# Altium PCB Measure.PcbDoc (continued)
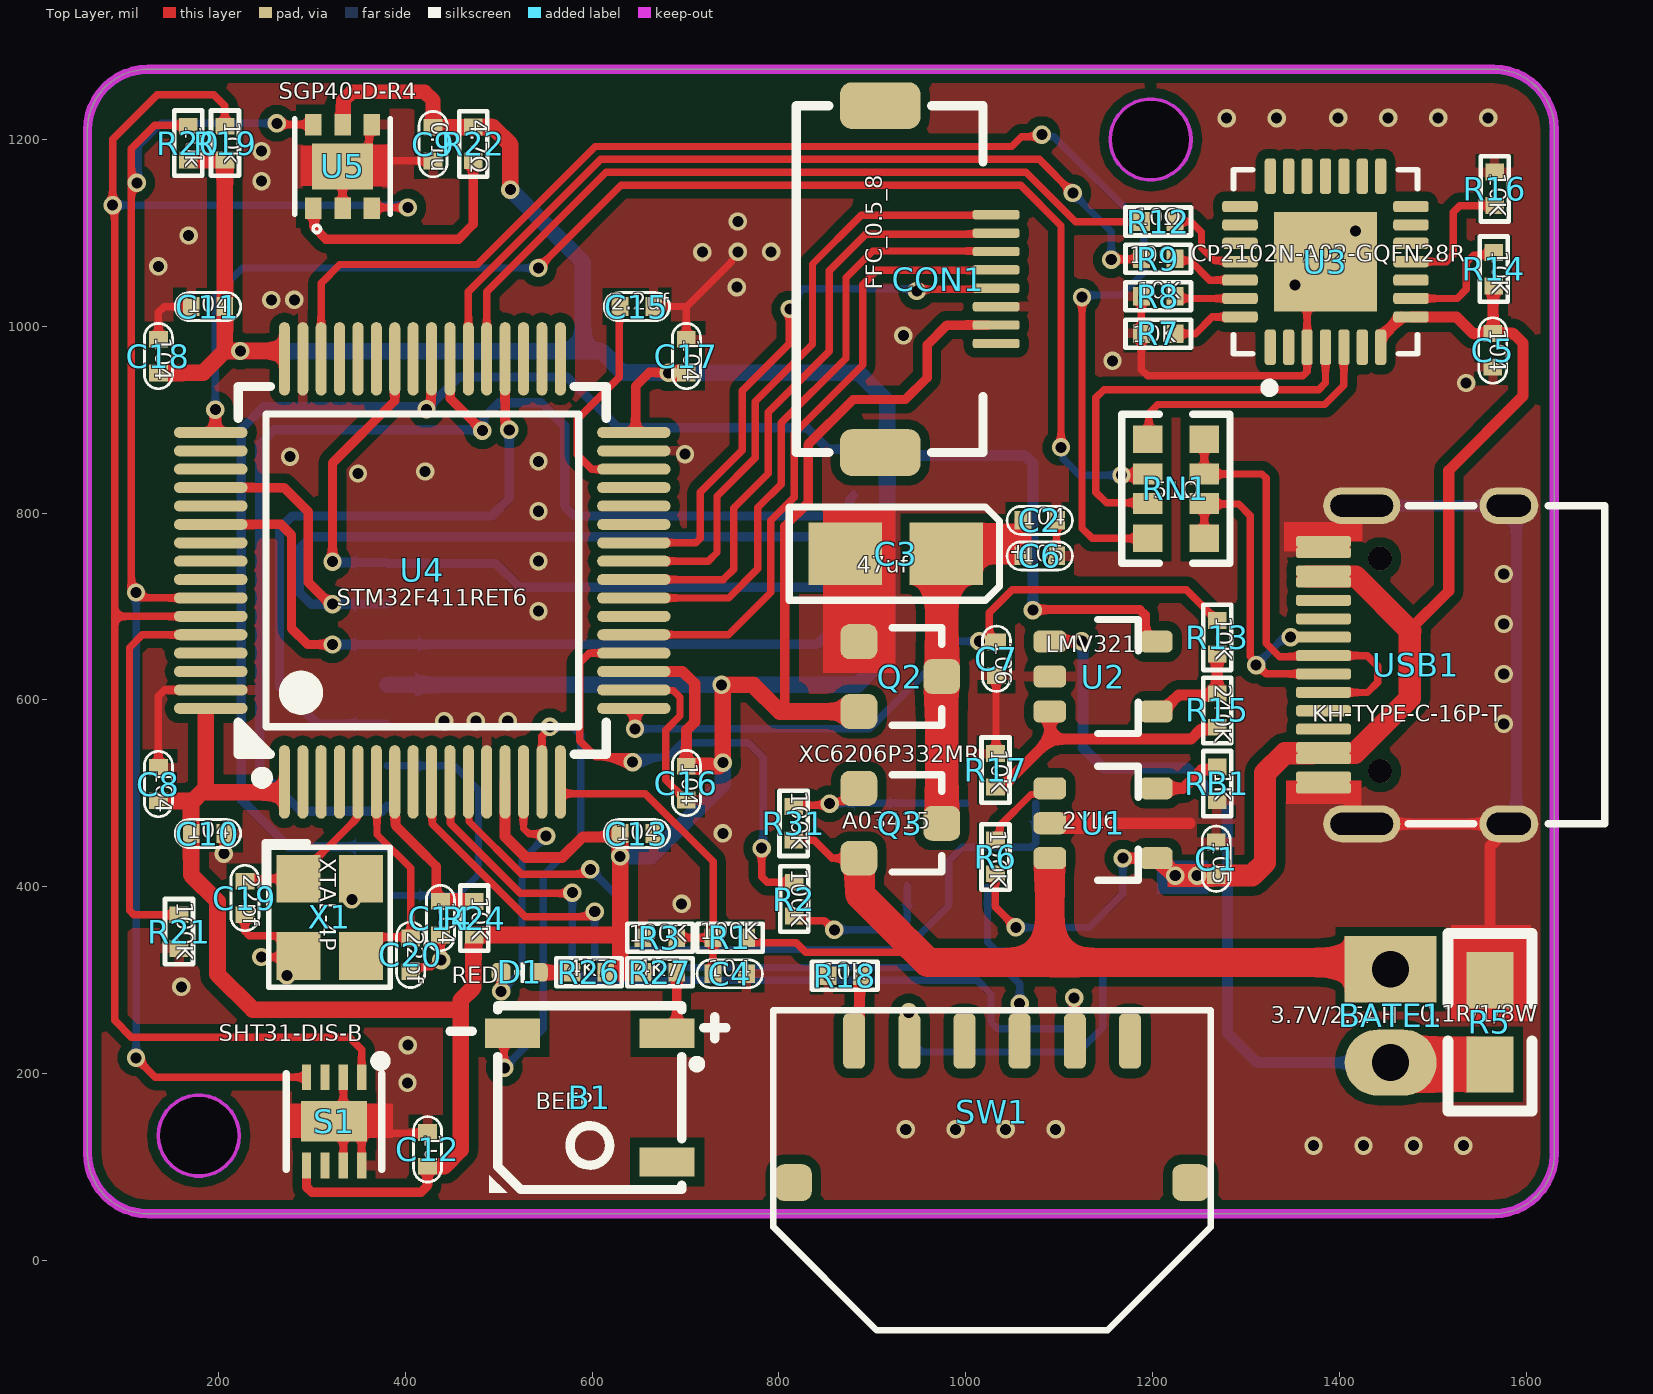
[diagram p0: Top Layer view]
## Footprints (in the part's own frame and the unit in brackets; to place one, negate y for a bottom-side part, rotate by r counter-clockwise, add the part's x,y. Pads: shape width x height; smd on the part's side, far side on the other; paste and mask are expansions set on the pad) (continued)
  silkscreen extent -5,-5.79 5,5, body extent -6,-6 6,6, height 1.6
"OSC 3225-4P" [mm]
  rect 1.3x1.2 smd: 1(-1.05,-0.85) 2(1.05,-0.85) 3(1.05,0.85) 4(-1.05,0.85)
  silkscreen extent -2.03,-1.75 1.91,1.65, body extent -1.47,-1.27 1.73,1.23, height 0.7
QFN28 [mil]
  rrect50% 12x38 smd mask+5: 1(-59.06,-91.5) 2(-39.37,-91.5) 3(-19.68,-91.5) 4(0,-91.5) 5(19.69,-91.5) 6(39.37,-91.5) 7(59.06,-91.5) 15(59.06,91.5) 16(39.37,91.5) 17(19.69,91.5) 18(0,91.5) 19(-19.68,91.5) 20(-39.37,91.5) 21(-59.06,91.5)
  rrect50% 38x12 smd mask+5: 8(91.5,-59.06) 9(91.5,-39.37) 10(91.5,-19.69) 11(91.5,0) 12(91.5,19.68) 13(91.5,39.37) 14(91.5,59.06) 22(-91.5,59.05) 23(-91.5,39.37) 24(-91.5,19.68) 25(-91.5,0) 26(-91.5,-19.68) 27(-91.5,-39.37) 28(-91.5,-59.06)
  rect 110.24x106.3 smd: 29(0,0)
  silkscreen extent -98,-140 98,98, body extent -98,-98 98,98, height 35
SOT23-5_S [mil]
  rrect50% 35x23.62 smd: 1(57,-37.4) 2(57,0) 3(57,37.4) 4(-57,37.4) 5(-57,-37.4)
  silkscreen extent -37,-61 6,61, body extent -54,-57 56,57, height 47
SOT23_ [mm] "Surface mount NPN transistor, package SOT-23"
  rrect50% 0.95x1 smd: 1(-0.95,-1.125) 2(0.95,-1.125) 3(0,1.125)
  silkscreen extent -1.33,-0.22 1.32,1.13, body extent -1.45,-1.4 1.45,1.4, height 1.3
TAJ-A/3216 [mm]
  rect 2x1.7 smd: 1(0.047,0) 2(2.794,0)
  silkscreen extent -1.4,-1.27 4.32,1.27, body extent -0.2,-0.8 3,0.8, height 1.6
TF_Card [mm]
  rrect50% 1.75x0.7 smd: 1(5.4,3.188) 2(5.4,2.088) 3(5.4,0.988) 4(5.4,-0.112) 5(5.4,-1.212) 6(5.4,-2.312) 7(5.4,-3.413) 8(5.4,-4.513)
  rrect50% 1.55x1 smd: 9(-5.4,5.563)
  rrect50% 1x1.45 smd: 10(-3.825,-5.637)
  rrect50% 1.5x1.5 smd: S1(5.275,5.637)
  rrect50% 1.5x1.016 smd: S2(5.275,-5.839)
  rrect50% 1.4x0.8 smd: S3(-2.975,5.963)
  rrect50% 1.5x0.8 smd: S4(-2.325,-5.963)
  silkscreen extent -5.67,-5.99 4.21,5.96, body extent -5.66,-5.96 10.98,6.04, height 1.69
TYPE-C-16P-T [mm]
  round 0.65 hole 0.65: 0(-0.98,-2.89) 0(-0.98,2.89)
  oval 1.6x1 hole 0.6 slot 1.2 at 0 deg: 1(2.52,4.325) 2(2.52,-4.325)
  oval 2.1x1 hole 0.6 slot 1.7 at 0 deg: 3(-1.48,-4.325) 4(-1.48,4.325)
  rrect50% 1.5x0.3 smd: A1(-2.52,-3.35) A4(-2.52,-2.55) A5(-2.52,-1.25) A6(-2.52,-0.25) A7(-2.52,0.25) A8(-2.52,1.25) A9(-2.52,2.55) A12(-2.52,3.35) B1(-2.52,3.05) B4(-2.52,2.25) B5(-2.52,1.75) B6(-2.52,0.75) B7(-2.52,-0.75) B8(-2.52,-1.75) B9(-2.52,-2.25) B12(-2.52,-3.05)
  silkscreen extent -0.22,-4.33 5.12,4.33, body extent -2.78,-4.47 5.12,4.47, height 3.11
WHEEL_SWITCH [mm]
  rrect50% 1x1 smd paste+0 mask+0.102: a(5.401,3.846) ""(-5.401,3.846)
  rrect50% 0.6x1.5 smd paste+0 mask+0.102: b(3.75,0) c(2.25,0) d(0.75,0) e(-0.75,0) f(-2.25,0) g(-3.75,0)
  silkscreen extent -5.94,-0.84 5.94,7.86, body extent -7.21,-0.28 7.21,11.81, height 3
XH2/2.54mm/180 [mm]
  rect 1.8x2.5 hole 1: 1(0,0)
  oval 1.8x2.5 hole 1: 2(2.54,0)

## Part data
B1: "蜂鸣器"
BATE1: library part Battery, "Multicell Battery", LatestRevisionDate=17-Jul-2002, LatestRevisionNote="Re-released for DXP Platform.", PackageReference=BAT-2, Published=24-Mar-1999, Publisher="Altium Limited"
C1 C2 C4 C5: library part Cap, "Capacitor", LatestRevisionDate=17-Jul-2002, LatestRevisionNote="Re-released for DXP Platform.", PackageReference=RAD-0.3, Published=8-Jun-2000, Publisher="Altium Limited"
C3: library part "Cap Pol3", "Polarized Capacitor (Surface Mount)", LatestRevisionDate=29-May-2009, LatestRevisionNote="IPC-7351 Footprint Added.", PackageDescription="Chip Capacitor", PackageReference=C0805, Published=8-Jun-2000, Publisher="Altium Limited"
C6 C8 C10 C11 C13 C14 C15 C16 C17 C18 C19 C20: library part C103
C7: library part CAP, "Capacitor"
CON1: "FFC", System=Connector
D1: library part LED0, "Typical INFRARED GaAs LED", LatestRevisionDate=08-Jul-2005, LatestRevisionNote="Mech Layer 1 removed.", PackageReference=LED-0, Published=8-Jun-2000, Publisher="Altium Limited"
D3: BOM_JLCPCB Part Class="Extended Part", BOM_Manufacturer="Slkor(SLKORMICRO Elec.)", BOM_Manufacturer Part=BAT54C, BOM_Supplier=LCSC, BOM_Supplier Part=C556168, Contributor=LCSC, spicePre=D, spiceSymbolName=BAT54C_C556168
J1: "10 _8 + 2_ Position Card Connector Secure Digital - microSDâ„¢ Surface Mount, Right Angle Gold", Package=None, Availability=Unavailable, MF="Amphenol Commercial Products", MP=1140084168, Price=None, SnapEDA_Link=https://www.snapeda.com/parts/1140084168/Amphenol/view-part/4544529/?ref=snap
Q2: library part XC6206_3.3
Q3: library part MOSFET-P, "P-Channel MOSFET", LatestRevisionDate=17-Jul-2002, LatestRevisionNote="Re-released for DXP Platform.", PackageReference=E3, PackageVersion=1995/1996, Published=8-Jun-2000, Publisher="Altium Limited"
Q4: library part N-MOS, "N沟道场效应管"
R1 R3 R6 R7 R8 R9 R12 R13 R14 R16 R17 R18 R21 R26 R27 R31 RB1: library part Res2, "Resistor", LatestRevisionDate=17-Jul-2002, LatestRevisionNote="Re-released for DXP Platform.", PackageReference=AXIAL-0.4, Published=8-Jun-2000, Publisher="Altium Limited"
R2 R5 R15 R24: library part R10K
R10 R11 R25 R28 R29: library part 电阻-0402, "Resistor"
RN1: BOM_JLCPCB Part Class="Extended Part", BOM_Manufacturer=RALEC, BOM_Manufacturer Part=RTA03-4D510JTP, Resistance (Ohms)=51, BOM_Supplier=LCSC, BOM_Supplier Part=C102676, nameAlias=Resistance, spicePre=R, spiceSymbolName=RTA03-4D510JTP
S1: BOM_JLCPCB Part Class="Extended Part", BOM_Manufacturer=Sensirion, BOM_Manufacturer Part=SHT31-DIS-B, BOM_Supplier=LCSC, BOM_Supplier Part=C80862, spicePre=S, spiceSymbolName=SHT31-DIS-B
SW1: BOM_JLCPCB Part Class="Extended Part", BOM_Manufacturer="XKB Enterprise", BOM_Manufacturer Part=TM-2103, BOM_Supplier=LCSC, BOM_Supplier Part=C318947, Contributor=LCSC, spicePre=S, spiceSymbolName=TM-2103
U2: library part LM321-SOT23-5
U3: BOM_JLCPCB Part Class="Extended Part", BOM_Manufacturer="SILICON LABS(芯科)", BOM_Manufacturer Part=CP2102N-A02-GQFN28R, BOM_Supplier=LCSC, BOM_Supplier Part=C964632, Contributor=LCSC, spicePre=U, spiceSymbolName=CP2102N-A02-GQFN28R
U4: BOM_JLCPCB Part Class="Extended Part", BOM_Manufacturer=STMicroelectronics, BOM_Manufacturer Part=STM32F411RET6, BOM_Supplier=LCSC, BOM_Supplier Part=C94355, spicePre=U, spiceSymbolName=STM32F411RET6
U5: BOM_JLCPCB Part Class="Extended Part", BOM_Manufacturer=null, BOM_Manufacturer Part=SGP40-D-R4, BOM_Supplier=LCSC, BOM_Supplier Part=C2874215, Contributor=LCSC, spicePre=U, spiceSymbolName=SGP40-D-R4
USB1: BOM_JLCPCB Part Class="Extended Part", BOM_Manufacturer="Shenzhen Kinghelm Elec", BOM_Manufacturer Part=KH-TYPE-C-16P-T, BOM_Supplier=LCSC, BOM_Supplier Part=C709358, Contributor=LCSC, spicePre=U, spiceSymbolName=KH-TYPE-C-16P-T
X1: "4脚无源晶振"
C9 C12: Contributor=LCEDA_Lib, nameAlias=Value(F), spicePre=C, spiceSymbolName=C_0402_US
R19 R20 R22: Contributor=LCEDA_Lib, nameAlias=Value(Ω), spicePre=R, spiceSymbolName=R_0402_EU

## Via types
v1: diameter 19.68, hole 11.81, Top Layer to Bottom Layer, 107 vias

## Nets (pads, with @x,y where several pads share a name; then routed paths per layer and width w, separated by ;. In a path a pad name is that pad's centre, name@x,y a point inside that pad or via, vN(x,y) a via of type N, cw(c..) or ccw(c..) an arc to the next point about the centre after c; other vN are vias at no path point)
ADC_BAT: C4.2 R1.1 R3.2 U4.16 | length 364.4
  Top Layer w7.87: U4.16 566.06,501.42 567.88,499.61 657.09,499.61 729.64,427.06 R1.1 ; R3.2 R1.1 ; C4.2 729.54,306.99 729.54,345.37 R1.1
BAT: BATE1.1 Q3.2 R1.2 R31.2 U1.3 | length 1012.7
  Top Layer w7.87: R1.2 765.64,345.22 770.7,340.16 818.63,340.16 828.87,329.92 934.06,329.92 941.24,337.11 ; R31.2@815.89,450.06 R31.2 837.68,449.91 857.09,430.51 885.43,430.51 Q3.2
  Top Layer w31.5: Q3.2@886.81,430.51 886.81,391.54 929.92,348.43 ; 928.06,350.29 941.24,337.11 959.35,319 1090,319 ; U1.3@1090,426.66 1090,319 ; BATE1.1@1456.89,319 1090,319
BAT_VCC: C2.2 C3.1 C6.1 Q2.3 Q3.3 | length 483.5
  Top Layer w17.72: 1059.84,780.12 1002.87,780.12 C3.1 981.61,754.13 C6.1 C2.2
  Top Layer w35.43: Q3.3@974.29,473.23 Q2.3 C3.1@974.29,745.47
BEEP: B1.2 U4.15 | length 528.7
  Top Layer w7.87: v1@505.91,207.28 505.91,234.2 B1.2 ; U4.15 546.37,560.99 554.92,569.55 v1(554.92,571.06)
  Bottom Layer w7.87: v1(506.1,206.3) 547.83,248.03 547.83,412.01 587.99,452.17 587.99,562.2 579.13,571.06 v1(554.92,571.06)
BLK: CON1.1 U4.25 | length 663.2
  Top Layer w7.87: U4.25 724.45,748.47 733.74,757.76 733.74,818.05 774.7,859.01 774.7,919.31 836.02,980.63 836.02,1066.58 888.14,1118.7 CON1.1@1033.66,1118.7
D+: RN1.3 RN1.4 USB1.A6 USB1.B6 | length 431
  Top Layer w7.87: RN1.4 RN1.3 1255.92,809.65 1292.13,809.65 1304.53,797.24 1304.53,646.7 1310.83,640.4 v1(1310.83,637.2) 1312.04,637.2 1321.34,627.9 1390.54,627.9 USB1.A6@1390.79,627.66 ; v1@1347.68,667.15 1390.67,667.15 USB1.B6@1390.79,667.03
  Bottom Layer w7.87: v1(1310.83,637.2) 1338.53,664.91 1345.39,664.91 v1(1347.65,667.17)
D-: RN1.1 RN1.2 USB1.A7 USB1.B7 | length 484.4
  Top Layer w7.87: RN1.1 RN1.2 1317.04,841.75 1321.65,837.14 1321.65,660.43 1335.76,646.33 1389.77,646.33 1390.79,647.34 1429.63,647.34 1440.94,636.02 1440.94,618.9 1430.02,607.97 USB1.B7@1390.79,607.97
DC: CON1.5 U4.26 | length 594.1
  Top Layer w7.87: U4.26 711.25,768.16 715.87,772.77 715.87,822.36 760.83,867.32 760.83,930.71 811.13,981.02 811.13,1017.63 v1(811.81,1018.31) ; v1(947.64,1037.6) 949.53,1039.49 1031.31,1039.49 CON1.5@1032.03,1040.21
  Bottom Layer w7.87: v1(811.81,1018.31) 811.81,1021.5 820.58,1030.28 820.58,1034.59 826.15,1040.16 922.05,1040.16 922.35,1039.86 945.38,1039.86 v1(947.64,1037.6)
FRONT: D3.2 U4.11 | length 858.4
  Top Layer w7.87: U4.11 468.38,511.5 468.38,469.87 524.67,413.58 v1@600,413.58 ; v1@595.97,416.44 v1(598.23,418.7)
  Bottom Layer w7.87: v1(598.23,418.7) 627.95,388.98 627.95,342.13 637.2,332.87 934.84,332.87 981.89,379.92 981.89,427.95 996.26,442.32 1070.19,442.32 1074.8,446.94 D3.2
FRONT_E: D3.3 SW1.c | length 509
  Bottom Layer w7.87: v1(938.98,265.55) 938.98,237.8 953.54,223.23 1120.28,223.23 1146.46,249.41 1146.46,312.8 1127.95,331.3 1032.68,331.3 1023.23,340.75 D3.3@1023.23,399.41
GND: C1.2 C2.1 C3.2 C4.1 C5.2 C6.2 C7.2 C8.1 C9.2 C10.1 C11.1 C12.1 C13.1 C14.1 C15.1 C16.1 C17.1 C18.1 C19.1 C20.1 CON1.6 J1.6 J1.9 J1.10 J1.S1 J1.S2 J1.S3 J1.S4 Q2.1 Q4.2 R3.1 R5.2 R7.1 R8.1 R16.2 R17.2 R18.2 R21.1 RB1.1 S1.2 S1.7 S1.8 S1.9 U1.2 U2.2 U3.3 U3.29 U4.12 U4.18 U4.31 U4.47 U4.63 U5.2 U5.4 U5.7 USB1.1 USB1.2 USB1.3 USB1.4 USB1.A1 USB1.A12 USB1.B1 USB1.B12 X1.2 X1.4 | length 3301.1
  Top Layer w7.87: v1(205.91,435.43) 206.45,435.98 206.45,456.45 C10.1 ; C19.1 228.54,352.25 233.16,347.64 266.14,347.64 285.83,327.95 X1.2 ; v1(246.06,324.8) 266.14,324.8 273.43,317.52 v1(273.43,305.12) ; C20.1 410.97,314.23 428.16,314.23 435.39,321.46 v1(438.58,321.46) 438.19,321.85 438.19,348.14 C14.1 ; U4.18 645.39,610.08 686.97,610.08 694.1,602.95 694.1,583.03 678.74,567.67 678.74,514.26 700,493 C16.1 ; C15.1 701.31,1021 ; C17.1 701,1020.69 701.31,1021 ; 749.21,1068.9 701.31,1021 ; C3.2@869.89,757.71 C3.2 885.71,741.89 Q2.1 ; R17.2 1032.37,543.3 1032.37,625.59 C7.2 ; C6.2 C2.1 ; R8.1 R7.1 1188,953.54 1194.69,946.85 1360.7,946.85 1365.32,951.46 U3.3 1365.32,1049.31 U3.29
  Top Layer w8: C8.1 136,604.11 142.57,610.68 U4.63 ; C18.1 136,1014.74 142.26,1021 C11.1 ; U5.2 U5.7 338.8,1176.8 U5.7@346.67,1176.8 ; S1.7 S1.9@333.84,136 ; S1.2 333.84,158.84 S1.9 S1.9@333.84,139.16 ; S1.8 353.53,131.35 S1.9@348.88,136 ; U5.4 361.48,1212.77 361.48,1191.61 U5.7@346.67,1176.8 ; C12.1@425.25,136 S1.9@348.88,136 ; C9.2 U5.7@346.67,1176.8 ; S1.9@333.84,139.16 336,137 S1.9@346.88,137 ; S1.9@333.84,139.16 344.72,139.16 S1.9@346.88,137 ; S1.9@346.88,137 347.88,137 S1.9@348.88,136 ; S1.9@346.88,137 347.88,136 S1.9@348.88,136
  Top Layer w11.81: U1.2 1239.76,468 ; C1.2@1267,448 C1.2 ; RB1.1@1268,492.33 RB1.1 ; USB1.A1@1390.79,505.61 1413.72,505.61 1413.72,479.96 1426.45,467.22 1589.21,467.22 1584.86,467.22 1561,443.37 R5.2 R5.2@1561,298
  Bottom Layer w7.87: J1.6 452.41,529.48 478.54,503.35 478.54,413.19 455.98,390.62 J1.S2
  Bottom Layer w11.81: USB1.3@1431.73,467.22 1589.21,467.22 1589.21,807.78 USB1.4@1431.73,807.78
  other v1: 1372.18,123.03 1425.66,123.03 1479.13,123.03 1532.61,123.03 935.76,140.35 989.24,140.35 1042.72,140.35 1096.19,140.35 402.56,190.16 402.95,230.51 160.43,292.91 695.87,381.69 342.91,386.61 739.96,457.09 1575.79,574.28 441.73,577.36 475.79,577.36 509.84,577.36 1575.79,627.76 1575.79,681.23 542.72,694.95 1575.79,734.71 542.72,748.43 542.72,801.9 349.61,842.32 421.46,844.49 542.72,855.38 276.77,860.43 699.54,862.99 1535.43,939.17 1157.09,962.8 933.27,989.96 256.89,1027.95 281.5,1028.15 755.12,1041.73 1352.36,1044.09 135.83,1063.98 718.11,1079.13 756.1,1079.53 791.73,1079.53 168.31,1097.05 1417.32,1101.97 756.1,1112.01 246.26,1155.12 246.26,1187.4 1279.2,1222.64 1332.68,1222.64 1398.56,1222.83 1452.03,1222.83 1505.51,1222.83 1558.99,1222.83
Ipel: C7.1 R13.2 U4.17 | length 737.7
  Top Layer w7.87: v1@1014.57,659.6 v1(1014.57,662.8) ; C7.1@1025.28,657.48 1025.28,662.09 1025.28,693.39 1049.8,717.91 1236.09,717.91 1264.91,689.09 1264.91,688.09 1268,685 R13.2
  Top Layer w11.81: U4.17 646.06,590.99 v1(646.06,569.09)
  Bottom Layer w7.87: v1(646.06,569.09) 896.65,569.09 990.35,662.8 v1(1014.57,662.8)
LED: D1.2 U4.14 | length 281.1
  Top Layer w7.87: D1.2 502.76,308.3 v1@502.76,291.14 ; U4.14 526.69,462.42 532.52,456.59 548.72,456.59 v1(550.98,454.33)
  Bottom Layer w7.87: v1(502.76,287.99) 525,310.24 525,428.35 v1(550.98,454.33)
MID: SW1.e U4.9 | length 846.5
  Top Layer w7.87: U4.9 429.01,511.5 429.01,467.51 528.41,368.11 v1@604.33,368.11 ; v1@599.76,373.43 v1(602.95,373.43) ; SW1.e@1057.68,228.54 v1(1057.68,275)
  Bottom Layer w7.87: v1(602.95,373.43) 602.95,326.77 616.04,313.69 1040.25,313.69 1057.68,296.26 v1(1057.68,275)
MOSI: CON1.3 U4.23 | length 665.2
  Top Layer w7.87: U4.23 746.18,709.1 777.49,740.4 777.49,805.97 802.45,830.93 802.45,896.5 871.77,965.82 871.77,1051.77 900.51,1080.51 CON1.3@1028.94,1080.51
NetB1_1: B1.1 R27.2 | length 69.4
  Top Layer w10: B1.1 690.67,253.61 R27.2
NetC15_2: C15.2 U4.30 | length 244.6
  Top Layer w7.87: C15.2 629.33,1020.33 629.33,945.28 584.25,900.2 584.25,862.2 599.56,846.9 U4.30
NetC19_2: C19.2 U4.5 X1.1 | length 188.4
  Top Layer w7.87: C19.2 231.21,408.66 X1.1 285.83,410.63 348.77,473.57 348.77,511.5 U4.5
NetC20_2: C20.2 U4.6 X1.3 | length 243.1
  Top Layer w7.87: X1.3 352.76,326.77 372.44,346.46 404.61,346.46 C20.2 ; U4.6 369.96,511.5 369.96,456.02 405.91,420.08 C20.2@405.91,346.96
NetD1_1: D1.1 R26.2 | length 36
  Top Layer w15.75: D1.1 R26.2
NetD3_1: D3.1 Q3.1 Q4.3 R31.1 | length 223.8
  Top Layer w7.87: R31.1 817.28,487.44 852.8,487.44 856.59,491.24 867.64,491.24 881.72,505.32 Q3.1
  Bottom Layer w7.87: v1(854.33,488.98) 854.63,489.27 899.7,489.27 Q4.3 D3.1
NetQ4_1: Q4.1 R2.1 | length 168.4
  Top Layer w7.87: R2.1 821.37,363.78 848.73,363.78 858.57,353.94 v1(859.45,353.94)
  Bottom Layer w7.87: v1(859.45,353.94) 927.36,353.94 937.4,363.98 Q4.1
NetR6_2: R6.2 U1.1 | length 87.4
  Top Layer w7.87: R6.2 1036.45,454.57 1036.45,465.38 1069.81,498.74 1083.34,498.74 U1.1
NetR7_2: R7.2 U3.28 | length 76.9
  Top Layer w7.87: R7.2 1245.94,992 1263.88,1009.94 U3.28
NetR8_2: R8.2 U3.27 | length 70.5
  Top Layer w7.87: R8.2 1226.37,1029.63 U3.27
NetR9_1: R9.1 U3.26 | length 78.9
  Top Layer w7.87: R9.1 1225.77,1070.23 1240.2,1070.23 1261.12,1049.32 U3.26
NetR12_1: R12.1 U3.25 | length 97.1
  Top Layer w7.87: R12.1 1240.76,1112 1252.36,1100.39 1252.36,1083.66 1265.83,1070.19 1292.31,1070.19 U3.25
NetR13_1: R13.1 R15.2 U2.4 | length 115.2
  Top Layer w11.81: U2.4 1209.91,593.5 1215.94,593.5 1227.56,605.12 1267.45,605.12 R15.2 R13.1
NetR14_2: R14.2 U3.9 | length 126
  Top Layer w7.87: U3.9 1526.09,1029.63 1535.83,1039.37 1535.83,1068.5 1543.5,1076.18 1562.18,1076.18 R14.2
NetR15_1: R15.1 R17.1 U2.3 | length 286.2
  Top Layer w11.81: R17.1@1038.88,506.8 1090,557.92 ; U2.3 1090,557.92 ; R15.1 1266.45,568.12 1251.12,568.12 1240.92,557.92 1090,557.92
NetR16_1: R16.1 U3.11 | length 140.9
  Top Layer w7.87: U3.11 1514.08,1069 1521.85,1076.77 1521.85,1122.05 1528.8,1129 R16.1
NetR18_1: R18.1 SW1.b | length 73.9
  Top Layer w11.81: SW1.b@880.51,228.54 886.42,234.45 R18.1@886.42,297.83 ; R18.1@888,302.77 R18.1@889.5,304.27
NetR21_2: R21.2 U4.60 | length 429
  Top Layer w8: R21.2 109.69,370 105,374.69 105,656 118.73,669.73 U4.60
NetR22_1: R22.1 U5.1 | length 271.1
  Top Layer w10: U5.1 302.65,1125.07 302.65,1105.82 315.35,1093.11 457.09,1093.11 473,1109.02 R22.1
NetRB1_2: RB1.2 U1.5 | length 74.8
  Top Layer w11.81: U1.5 1232.4,505.4 1252.24,525.24 1265.24,525.24 RB1.2@1269,529
nRST: C14.2 R24.1 U4.7 | length 184.3
  Top Layer w10: U4.7 389.24,511.91 389.24,477.16 389.67,476.72 389.67,465.64 414.76,440.55 433.27,422.05 433.27,388.54 437.27,384.54 C14.2
  Top Layer w17.72: C14.2@437.94,384.39 C14.2@439.22,384.39 ; C14.2@439.23,384.39 R24.1
P_ADC: BATE1.2 R5.1 U2.1 | length 848
  Top Layer w11.81: U2.1 1090.2,662.6 1124.02,662.6 v1(1124.21,662.8)
  Top Layer w59.06: BATE1.2@1453.35,210 R5.1@1543,210
  Bottom Layer w11.81: v1(1124.21,662.8) 1125.59,661.42 1125.59,548.82 1147.24,527.17 1236.61,527.17 1280.31,483.46 1280.31,243.31 1311.81,211.81 BATE1.2
REAR: SW1.f U4.10 | length 948.1
  Top Layer w7.87: U4.10 448.7,511.5 448.7,467.44 523.23,392.91 578.05,392.91 v1(578.94,393.8) ; v1(1115.94,281.1) 1116.34,280.71 1116.34,228.94 SW1.f@1116.73,228.54
  Bottom Layer w7.87: v1(578.94,393.8) 578.94,314.37 593.5,299.81 1012.39,299.81 1026.97,285.24 1026.97,255.12 1034.06,248.03 1105.71,248.03 1114.22,256.54 1114.22,279.37 v1(1115.94,281.1)
RES: CON1.2 U4.24 | length 667.4
  Top Layer w7.87: U4.24 740.6,728.79 751.61,739.8 751.61,805.37 788.57,842.33 788.57,907.9 853.9,973.22 853.9,1059.18 893.15,1098.43 CON1.2@1031.89,1098.43
SCK: CON1.4 U4.21 | length 684.8
  Top Layer w7.87: U4.21 746.1,669.73 791.36,714.98 791.36,791.93 816.32,816.89 816.32,885.09 889.65,958.42 889.65,1044.37 904.92,1059.65 1031.88,1059.65 CON1.4
SCL: R20.2 S1.4 U4.58 U5.6 | length 1555.7
  Top Layer w8: v1(112,217) 132.75,196.25 S1.4 ; R20.2@166.54,1214.96 132.09,1214.96 107,1189.87 107,720 v1(112,715) 117.9,709.1 U4.58 ; v1@262.76,1215.78 U5.6
  Bottom Layer w8: v1(112,217) v1(112,715) ; v1(112.8,1153.35) 114.22,1154.77 114.22,1192.56 138.78,1217.13 v1(262.8,1217.13)
SD_CK: J1.5 U4.36 | length 711.4
  Top Layer w10: U4.36 507,896.01 511.42,891.59 v1(511.42,888.97)
  Bottom Layer w10: J1.5 379.3,574.21 306.1,574.21 265.55,614.76 265.55,783.27 279.13,796.85 492.32,796.85 511.42,815.94 v1(511.42,888.97)
SD_CMD: J1.3 R25.2 U4.54 | length 804.7
  Top Layer w10: U4.54 267.09,787.84 278.46,776.46 278.46,676.46 295.67,659.25 v1(322.24,659.25)
  Bottom Layer w10: v1(322.24,659.25) 322.32,659.33 380.65,659.33 J1.3 840.9,659.4 852.67,671.18 R25.2
SD_D0: J1.7 R10.2 U4.39 | length 1375.9
  Top Layer w10: U4.39 448.3,964.65 448.3,922.57 v1(482.68,888.19) v1@482.68,890.81
  Bottom Layer w10: J1.7 375.46,480.91 288.19,480.91 244.49,524.61 244.49,874.02 259.65,889.17 481.69,889.17 v1(482.68,888.19) 484.14,889.65 484.14,901.86 500.39,918.11 545.67,918.11 570.67,893.11 570.67,807.28 581.1,796.85 865.94,796.85 875.93,806.84 875.93,815.02 R10.2
SD_D1: J1.8 R11.2 U4.40 | length 1345
  Top Layer w10: v1(422.83,911.02) 422.83,913.64 427.91,918.72 427.91,964.65 U4.40
  Bottom Layer w10: J1.8 275.05,442.87 224.61,493.31 224.61,889.76 248.43,913.58 413.43,913.58 414.13,912.88 420.98,912.88 v1@424.69,909.17 ; v1(422.83,911.02) 457.48,945.67 573.62,945.67 628.15,891.14 829.72,891.14 852.56,868.31 R11.2
SD_D2: J1.1 R28.2 U4.42 | length 813.7
  Top Layer w10: v1(322.24,748.03) 322.24,853.54 388.89,920.19 U4.42
  Bottom Layer w10: v1(322.24,748.03) 323.25,747.02 379.72,747.02 J1.1 497.09,746.02 522.65,720.46 R28.2
SD_D3: J1.2 R29.2 U4.52 | length 970.3
  Top Layer w10: U4.52 270.43,827.21 296.46,801.18 296.46,725.79 v1@319.68,702.56
  Bottom Layer w10: J1.2 380.65,702.63 322.32,702.63 v1(322.24,702.56) 299.41,702.56 286.81,715.16 286.81,762.01 299.41,774.61 875.93,774.61 879.93,770.61 R29.2
SDA: R19.2 S1.1 U4.59 U5.3 | length 1871.9
  Top Layer w8: U4.59 89,689.42 ; R19.2@207.09,1216.14 207.09,1235.83 195.08,1247.83 134.65,1247.83 87.01,1200.2 v1(87.01,1129.53) 89,1127.54 89,689.42 ; S1.1@353.53,198.53 353.53,225.47 340,239 107,239 89,257 89,689.42 ; U5.3 365.28,1127 v1(403,1127)
  Bottom Layer w8: v1(87.01,1129.53) 397.31,1129.53 399.84,1127 v1(403,1127)
SWCLK: RN1.7 U4.49 | length 1471.3
  Top Layer w7.87: v1(542.52,1062.2) 631.02,1150.7 1058.75,1150.7 1101.97,1107.48 v1(1101.97,870.28)
  Top Layer w11.81: U4.49 196.85,886.27 v1(196.85,910.63) ; v1@1167.52,840.16 1193.09,840.16 RN1.7
  Bottom Layer w7.87: v1(196.85,910.63) 196.85,1033.27 225.79,1062.2 v1(542.52,1062.2) ; v1(1101.97,870.28) 1104.23,868.02 1104.23,858.17 1121.85,840.55 v1(1166.73,840.55)
SWDIO: RN1.5 U4.46 | length 1515.9
  Top Layer w7.87: U4.46 310.15,1045.98 330.12,1065.94 477.1,1065.94 603.48,1192.32 1049.32,1192.32 1059.66,1202.66 1079.24,1202.66 v1(1081.5,1204.92) ; v1(1124.41,1031.1) 1124.41,783.86 1135.42,772.85 RN1.5
  Bottom Layer w7.87: v1(1081.5,1204.92) 1083.62,1202.8 1094.25,1202.8 1190.35,1106.69 1190.35,1057.48 1166.24,1033.36 1126.67,1033.36 v1(1124.41,1031.1)
USART6_RX: R9.2 U4.38 | length 913.2
  Top Layer w7.87: U4.38 467.63,1036.86 609.22,1178.45 1078.59,1178.45 v1(1114.54,1142.5) ; v1(1155.71,1071.26) 1156.08,1071.63 1187.63,1071.63 R9.2
  Bottom Layer w7.87: v1(1114.54,1142.5) 1155.71,1101.33 v1(1155.71,1071.26)
USART6_TX: R12.2 U4.37 | length 848.2
  Top Layer w7.87: U4.37 487.32,1036.93 614.97,1164.57 1064.49,1164.57 1117.46,1111.61 R12.2@1188.78,1111.61
USB_DM: RN1.8 U3.5 | length 290
  Top Layer w7.87: RN1.8 1195.87,880.33 1195.87,906.5 1205.58,916.21 1384.33,916.21 1404.69,936.57 U3.5
USB_DP: RN1.6 U3.4 | length 451.4
  Top Layer w7.87: RN1.6@1194.49,811.02 1150.59,811.02 1139.27,822.35 1139.27,923.32 1148.03,932.09 1377.76,932.09 1385,939.33 U3.4
USB_VCC: C1.1 C5.1 R6.1 R14.1 U1.4 U3.7 U3.8 USB1.A4 USB1.A9 USB1.B4 USB1.B9 | length 1470.6
  Top Layer w7.87: R6.1@1032.05,414 1031.39,413.34 1031.39,378.65 v1(1053.54,356.5)
  Top Layer w11.81: v1(1168.11,430.6) U1.4 ; U3.7 1444.06,987.76 U3.8@1466.34,1010.04 ; 1475,674.8 1516.93,716.73 1516.93,845.67 1596.46,925.2 1596.46,981.75 1586.08,992.13 1564.13,992.13 1564.5,992.5 1564.5,1042.5 R14.1 ; U3.8 1525.09,1009.94 1543.04,992 C5.1
  Top Layer w17.72: U1.4 1209.69,430.6 1212.64,427.65 1212.64,423.58 v1(1224.21,412.01)
  Top Layer w23.62: v1@1247.64,412.07 1267.93,412.07 C1.1 1306.44,412 1320.28,425.84 1320.28,521.65 1341.54,542.91 USB1.A4@1370.67,542.91 ; USB1.A9@1365.94,732.28 1417.32,732.28 1476.08,673.52 ; USB1.B4@1370,732 USB1.B4@1390.79,732 ; USB1.A4@1391,543 1416.43,543 1475.2,601.77 1475.2,669.29
  Bottom Layer w7.87: v1(1053.54,356.5) 1131.89,356.5 1168.11,392.72 v1(1168.11,430.6)
  Bottom Layer w17.72: v1(1224.21,412.01) v1(1247.64,412.01)
VCC_3.3V: C8.2 C9.1 C10.2 C11.2 C12.2 C13.2 C16.2 C17.2 C18.2 CON1.7 J1.4 Q2.2 R10.1 R11.1 R19.1 R20.1 R22.2 R24.2 R25.1 R26.1 R27.1 R28.1 R29.1 S1.5 U2.5 U4.1 U4.13 U4.19 U4.32 U4.48 U4.64 U5.5 | length 5861.1
  Top Layer w9.84: S1.5 294.47,78.77 300.24,73 417,73 424,80 C12.2 ; v1@1071.85,696.65 1186.26,696.65 1192.03,690.89 1192.03,669.22 1198.84,662.4 U2.5
  Top Layer w10: U4.32 645.82,886.27 646.65,887.1 646.65,935.63 661.59,950.57 v1@681.89,950.57 ; 806.3,592.32 806.3,785.74 831.26,810.7 831.26,873.25 879.47,921.46 935.24,921.46 958.66,944.88 958.66,979.92 979.85,1001.11 CON1.7@1023.94,1001.11 ; 817.52,588.78 818.7,587.6
  Top Layer w11.81: U4.13 507,453.66 529.36,431.3 568.11,431.3 590.34,453.53 626.91,453.53 630,456.62 C13.2 ; U4.19 697.01,630.36 709.94,617.42 709.94,576.47 701,567.52 701,529.43 C16.2@701.22,529.22 ; C16.2 C16.2@701.22,529.22 ; C16.2@701.43,529 C16.2@701.22,529.22
  Top Layer w15.75: U5.5 333.95,1216.73 333.95,1241.56 343.17,1250.79 420.7,1250.79 429.92,1241.56 C9.1
  Top Layer w17.72: C8.2 167.45,492 170.18,489.27 ; C18.2 136.14,950.14 183.72,950.14 207,973.43 ; R20.1 R19.1 ; 186.42,500.98 186.42,505.51 ; 186.42,582.45 186.42,505.51 ; 189.37,500.98 U4.1@266.73,500.98 ; R19.1@207,1171.85 C11.2 207,973.43 ; U4.48@265.75,973.43 v1(223.62,973.43) 207,973.43 ; C12.2 424.14,101.14 442.09,101.14 459.45,118.5 459.45,268.5 ; C9.1 R22.2@471.8,1212.8 ; R22.2@471.86,1212.86 494.03,1212.86 512.6,1194.29 v1(512.6,1146.06) ; R24.2@472.91,348.39 R24.2 628.78,348.39 630,349.61 ; R24.2@473.03,348.24 473.03,292.32 459.45,278.74 459.45,268.5 ; R26.1 R27.1 ; 630,313.39 630,349.61 ; C13.2@630,456.62 630,412.52 ; 630.12,412.4 630,412.52 ; v1(681.89,950) C17.2 ; C16.2@701.43,529 735.55,529 739.43,532.87 v1(739.96,532.87) 739.96,614.23 738.58,615.61 v1(738.58,616.14) 772.44,616.14 800.98,587.6 806.3,587.6 818.7,587.6 832.19,587.6 832.28,587.6 Q2.2 ; 170.18,489.27 171,488.45 C10.2 171,412.66 199.21,384.45 199.21,306.3 237.01,268.5 459.45,268.5 ; 170.18,489.27 186.42,505.51 ; 630,349.61 630,412.52
  Bottom Layer w11.81: R11.1 915.93,867.31 919.03,864.21 920.03,864.21 922.63,861.61 1063.19,861.61 1071.85,852.95 v1(1071.85,696.06)
  Bottom Layer w17.72: v1@223.03,973.23 590.16,973.23 ; J1.4 v1(738.58,616.14) ; v1(512.6,1146.06) 590.16,1068.5 590.16,973.23 ; v1(630.12,432.48) 630.49,432.86 662.98,432.86 739.96,509.84 v1(739.96,532.87) ; v1(738.58,616.14) 883.66,616.14 915.85,648.33 915.85,720.38 R28.1 ; R28.1 R28.1 R29.1 ; R29.1 915.93,769.83 915.93,818.94 R10.1 915.93,819.11 R11.1@915.93,867.31 ; R11.1 915.93,919.5 885.24,950.2 682.09,950.2 v1(681.89,950) 681.51,950.38 632.89,950.38 610.04,973.23 590.16,973.23
VDD_ON: R2.2 U4.20 | length 600.1
  Top Layer w7.87: v1@640.53,528.34 ccw(c602.56,468.5) 607.87,539.17 ; v1@644.27,539.17 607.87,539.17 ; U4.20 597.09,650.05 586.81,639.76 586.81,556.3 603.94,539.17 607.87,539.17 ; v1(781.5,441.34) 781.5,410.83 787.51,404.81 R2.2
  Bottom Layer w7.87: v1(643.5,533.46) 646.7,533.46 651.82,538.58 680.32,538.58 695.87,554.13 767.32,554.13 783.27,538.19 783.27,443.11 v1(781.5,441.34) ; v1@646.28,528.14 cw(c684.25,468.31) 678.94,538.98
pads on no net: B1.3 CON1.0 CON1.8 S1.3 S1.6 SW1. SW1.a SW1.d SW1.g U3.1 U3.2 U3.6 U3.10 U3.12 U3.13 U3.14 U3.15 U3.16 U3.17 U3.18 U3.19 U3.20 U3.21 U3.22 U3.23 U3.24 U4.2 U4.3 U4.4 U4.8 U4.22 U4.27 U4.28 U4.29 U4.33 U4.34 U4.35 U4.41 U4.43 U4.44 U4.45 U4.50 U4.51 U4.53 U4.55 U4.56 U4.57 U4.61 U4.62 USB1.0 USB1.A5 USB1.A8 USB1.B5 USB1.B8

## Polygon pours and split planes (outlines as drawn)
GND on Bottom Layer "GND_L02_P001" (solid, remove dead copper, pour order 1): 61.54,1276.7 59.45,1274.61 59.45,50 1629.53,50 1629.53,1274.93
GND on Top Layer "GND_L01_P000" (solid, remove dead copper, pour order 0): 60.24,1276.77 59.84,1276.38 59.84,49.8 1630.12,49.8 1629.92,50 1629.92,1275

## Keep-outs
Keep-Out Layer:
  circle w3.94: c179.13,133.66 r43.31
  circle w3.94: c1197.83,1199.8 r43.31
  lines w10: 60,115 ccw(c125,115) 125,50 1565,50 ccw(c1565,115) 1630,115 1630,1210 ccw(c1565,1210) 1565,1275 125,1275 ccw(c125,1210) 60,1210 60,115

## Other copper
Top Layer:
  rectangle net GND: 1410.24,769.68 1424.8,788.98
  rectangle net GND: 1340.55,759.06 1411.81,790.55
  rectangle net GND: 1342.52,488.39 1423.43,513.98
  rectangle net GND: 847.24,628.94 925,805.91
  rectangle net GND: 1100.79,456.69 1142.13,479.72
  rectangle net BAT_VCC: 1016.54,758.07 1058.46,776.18
  rectangle net USB_VCC: 1215.75,399.8 1266.34,424.41
  rectangle net GND: 287.99,1149.8 305.71,1193.11
  rectangle net GND: 363.39,1149.61 382.68,1194.29
  rectangle net GND: 1519.49,256.5 1605.12,359.06
  rectangle net GND: 276.97,131.1 386.81,167.91
Bottom Layer:
  rectangle net USB_VCC: 1204.53,392.13 1259.84,427.95

## Text inside footprints (layer, text, board x,y; h text height)
C3: Top Overlay "+" at 1066.1,771.5 h30 r180